# KiCad board data-center-ddr5-tester.kicad_pcb (continued)
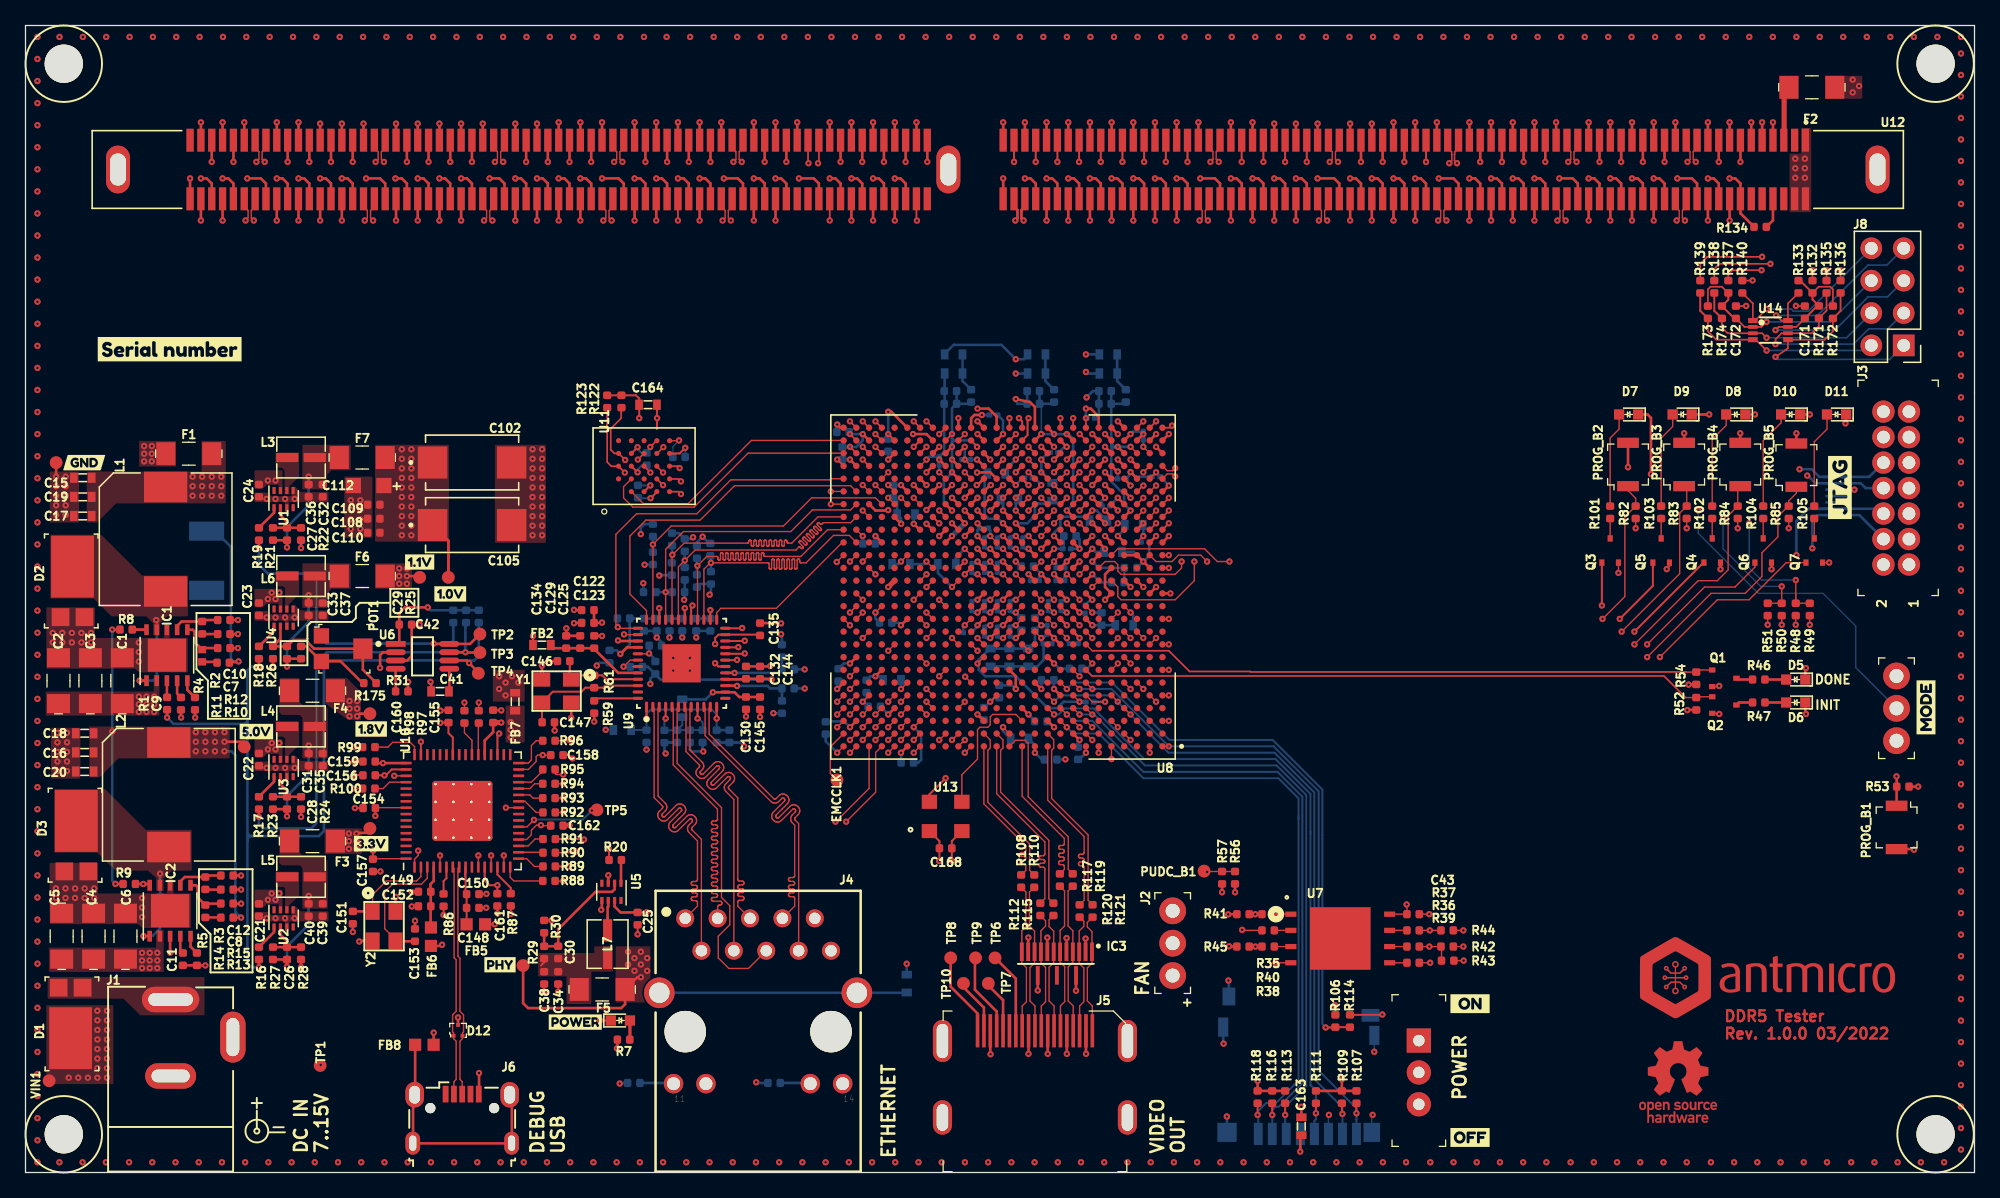
[diagram p0: board, top side]
## Placement (name value [footprint] x y rotation side) (continued)
R102  R_330R_0402  [0402-res]  132.24 51.8 270 top
R103  R_330R_0402  [0402-res]  128.24 51.8 270 top
R104  R_330R_0402  [0402-res]  136.24 51.8 270 top
R105  R_330R_0402  [0402-res]  140.24 51.8 270 top
R106  R_20k_0402  [0402-res]  102.69 11.89 270 top
R107  R_20k_0402  [0402-res]  104.34 5.92 270 top
R108  R_0R_0402  [0402-res]  78.06 22.86 270 top
R109  R_20k_0402  [0402-res]  103.2 5.92 270 top
R110  R_0R_0402  [0402-res]  79.08 22.86 270 top
R111  R_20k_0402  [0402-res]  101.17 5.92 270 top
R112  R_0R_0402  [0402-res]  79.56 20.65 270 top
R113  R_20k_0402  [0402-res]  98.76 5.92 270 top
R114  R_220R_0402  [0402-res]  103.84 11.89 90 top
R115  R_0R_0402  [0402-res]  80.58 20.65 270 top
R116  R_20k_0402  [0402-res]  97.74 5.92 270 top
R117  R_0R_0402  [0402-res]  81.09 22.95 270 top
R118  R_20k_0402  [0402-res]  96.6 5.92 270 top
R119  R_0R_0402  [0402-res]  82.1 22.95 270 top
R120  R_0R_0402  [0402-res]  82.64 20.52 270 top
R121  R_0R_0402  [0402-res]  83.66 20.52 270 top
R122  R_10k_0402  [0402-res]  46.72 60.5 270 top
R123  R_10k_0402  [0402-res]  45.6 60.5 270 top
R124  R_1k_0603  [0603-res]  72.76 64.19 0 bottom
R125  R_1k_0603  [0603-res]  72.76 62.69 180 bottom
R126  R_120R_0603  [0603-res]  77.14 52.81 0 bottom
R127  R_120R_0603  [0603-res]  76.11 54.85 0 bottom
R128  R_1k_0603  [0603-res]  79.26 64.19 0 bottom
R129  R_1k_0603  [0603-res]  79.26 62.69 180 bottom
R130  R_120R_0603  [0603-res]  80.51 53.42 90 bottom
R131  R_120R_0603  [0603-res]  84.12 51.16 0 bottom
R132  R_200k_0402  [0402-res]  140.1 69.5 90 top
R133  R_0R_0402  [0402-res]  139 69.5 90 top
R134  R_10k_0402  [0402-res]  136 74.2 0 top
R135  R_0R_0402  [0402-res]  141.2 69.5 270 top
R136  R_0R_0402  [0402-res]  142.3 69.5 270 top
R137  R_0R_0402  [0402-res]  133.5 69.5 90 top
R138  R_0R_0402  [0402-res]  132.4 69.5 90 top
R139  R_0R_0402  [0402-res]  131.3 69.5 90 top
R140  R_0R_0402  [0402-res]  134.6 69.5 90 top
R159  R_1k_0603  [0603-res]  84.89 64.19 0 bottom
R160  R_1k_0603  [0603-res]  84.89 62.69 180 bottom
R161  R_120R_0603  [0603-res]  86.89 50.81 0 bottom
R162  R_120R_0603  [0603-res]  85.26 48.69 0 bottom
R171  R_4k7_0402  [0402-res]  140.6 67.52 270 top
R172  R_4k7_0402  [0402-res]  141.7 67.5 270 top
R173  R_4k7_0402  [0402-res]  131.9 67.5 270 top
R174  R_4k7_0402  [0402-res]  133 67.5 270 top
R175  R_0R_0402  [0402-res]  27 38.4 0 top
S1  EG1218  [Switch_Slide_11.6x4mm_EG1218]  109.24 10.35 270 top
TP1  TP_SMD1MM  [Testpoint_smd_1mm]  23.15 8.4 90 top
TP2  TP_SMD1MM  [Testpoint_smd_1mm]  35.62 42.2 0 top
TP3  TP_SMD1MM  [Testpoint_smd_1mm]  35.62 40.75 0 top
TP4  TP_SMD1MM  [Testpoint_smd_1mm]  35.5 39.12 0 top
TP5  TP_SMD1MM  [Testpoint_smd_1mm]  44.8 28.4 0 top
TP6  TP_SMD1MM  [Testpoint_smd_1mm]  76.06 16.84 90 top
TP7  TP_SMD1MM  [Testpoint_smd_1mm]  75.53 14.84 90 top
TP8  TP_SMD1MM  [Testpoint_smd_1mm]  72.58 16.84 90 top
TP9  TP_SMD1MM  [Testpoint_smd_1mm]  74.53 16.84 90 top
TP10  TP_SMD1MM  [Testpoint_smd_1mm]  73.58 14.84 90 top
U1  TPS62823DLCT  [QFN-8_2x1mm]  20.24 52.84 90 top
U2  TPS62823DLCT  [QFN-8_2x1mm]  20.24 19.94 90 top
U3  TPS62823DLCT  [QFN-8_2x1mm]  20.24 31.74 90 top
U4  TPS62823DLCT  [QFN-8_2x1mm]  20.24 43.54 90 top
U5  TPS62823DLCT  [QFN-8_2x1mm]  45.94 22.02 270 top
U6  LM3881MME_NOPB  [VSSOP8-Texas_Instruments-DGK0008A]  31.12 40.5 0 top
U7  -  [S25FL128SAGNFI000]  103.07 18.36 0 top
U8  XC7K160T-FFG676  [BGA676C100P26X26_2700X2700X254]  76.64 45.94 180 top
U9  KSZ9031RNXCA  [QFN-48-Microchip-QFN77-48LD-PL-2]  51.44 39.95 90 top
U10  -  [FT4232HQ]  34.25 28.38 90 top
U11  S27KL0641DABHI023  [FBGA-24]  48.5 55.42 90 top
U12  -  [DDR504111002KQ]  76.22 78.7 180 top
U13  -  [ASFLMB-100.000MHZ-XY-T]  72.14 27.94 0 top
U14  TCA39306DCUR  [VSSOP-8]  136.8 66.1 0 top
VIN1  TP_SMD1MM  [Testpoint_smd_1mm]  1.9 7.2 90 top
Y1  ABM8G-25.000MHZ-18-D2Y-T  [KX-7]  41.69 37.73 180 top
Y2  ABM8G-12.000MHZ-18-D2Y-T  [KX-7]  28.16 19.38 270 top

## Footprints (pads in the part's own frame, mm; a bottom-side part is the same pattern mirrored in y, then rotated)
0201-res
  rrect 0.318x0.36 smd: (-0.345,0) (0.345,0)
  rrect 0.46x0.4 smd: 1(-0.32,0) 2(0.32,0)
0402
  rrect 0.59x0.64 smd: 1(-0.485,0) 2(0.485,0)
0402#2
  rect 0.57x0.62 smd: 1(-0.48,0) 2(0.48,0)
0402-cap
  rrect 0.59x0.64 smd: 1(-0.485,0) 2(0.485,0)
0402-res
  rrect 0.59x0.64 smd: 1(-0.485,0) 2(0.485,0)
0603
  rect 0.95x0.95 smd: 1(-0.725,0) 2(0.725,0)
0603-cap
  rect 0.6x0.8 smd: 1(-0.7,0) 2(0.7,0)
0603-res
  rect 0.6x0.8 smd: 1(-0.7,0) 2(0.7,0)
1206-cap
  rect 1.5x1.8 smd: 1(-1.8,0) 2(1.8,0)
1206-res
  rect 1.5x1.8 smd: 1(-1.8,0) 2(1.8,0)
2010-res
  rect 1.5x2.75 smd: 1(-2.32,0) 2(2.32,0)
7499111121A
  round 3.25 hole 3.25 unplated: (-5.715,0) (5.715,0)
  round 1.408 hole 0.9: 1(5.715,-8.89) 2(4.445,-6.35) 3(3.175,-8.89) 4(1.905,-6.35) 5(0.635,-8.89) 6(-0.635,-6.35) 7(-1.905,-8.89) 8(-3.175,-6.35) 9(-4.445,-8.89) 10(-5.715,-6.35)
  round 1.53 hole 1.02: 11(6.63,4.08) 12(4.09,4.08) 13(-4.09,4.08) 14(-6.63,4.08)
  round 2.4 hole 1.6: Z1(-7.745,-3.05) Z2(7.745,-3.05)
ASFLMB-100.000MHZ-XY-T
  rect 1.2x1.1 smd: 1(-1.27,-1.15) 2(1.27,-1.15) 3(1.27,1.15) 4(-1.27,1.15)
BGA676C100P26X26_2700X2700X254
  round 0.5 smd: A1(-12.5,12.5) A2(-11.5,12.5) A3(-10.5,12.5) A4(-9.5,12.5) A5(-8.5,12.5) A6(-7.5,12.5) A7(-6.5,12.5) A8(-5.5,12.5) A9(-4.5,12.5) A10(-3.5,12.5) A11(-2.5,12.5) A12(-1.5,12.5) A13(-0.5,12.5) A14(0.5,12.5) A15(1.5,12.5) A16(2.5,12.5) A17(3.5,12.5) A18(4.5,12.5) A19(5.5,12.5) A20(6.5,12.5) A21(7.5,12.5) A22(8.5,12.5) A23(9.5,12.5) A24(10.5,12.5) A25(11.5,12.5) A26(12.5,12.5) AA1(-12.5,-7.5) AA2(-11.5,-7.5) AA3(-10.5,-7.5) AA4(-9.5,-7.5) AA5(-8.5,-7.5) AA6(-7.5,-7.5) AA7(-6.5,-7.5) AA8(-5.5,-7.5) AA9(-4.5,-7.5) AA10(-3.5,-7.5) AA11(-2.5,-7.5) AA12(-1.5,-7.5) AA13(-0.5,-7.5) AA14(0.5,-7.5) AA15(1.5,-7.5) AA16(2.5,-7.5) AA17(3.5,-7.5) AA18(4.5,-7.5) AA19(5.5,-7.5) AA20(6.5,-7.5) AA21(7.5,-7.5) AA22(8.5,-7.5) AA23(9.5,-7.5) AA24(10.5,-7.5) AA25(11.5,-7.5) AA26(12.5,-7.5) AB1(-12.5,-8.5) AB2(-11.5,-8.5) AB3(-10.5,-8.5) AB4(-9.5,-8.5) AB5(-8.5,-8.5) AB6(-7.5,-8.5) AB7(-6.5,-8.5) AB8(-5.5,-8.5) AB9(-4.5,-8.5) AB10(-3.5,-8.5) AB11(-2.5,-8.5) AB12(-1.5,-8.5) AB13(-0.5,-8.5) AB14(0.5,-8.5) AB15(1.5,-8.5) AB16(2.5,-8.5) AB17(3.5,-8.5) AB18(4.5,-8.5) AB19(5.5,-8.5) AB20(6.5,-8.5) AB21(7.5,-8.5) AB22(8.5,-8.5) AB23(9.5,-8.5) AB24(10.5,-8.5) AB25(11.5,-8.5) AB26(12.5,-8.5) AC1(-12.5,-9.5) AC2(-11.5,-9.5) AC3(-10.5,-9.5) AC4(-9.5,-9.5) AC5(-8.5,-9.5) AC6(-7.5,-9.5) AC7(-6.5,-9.5) AC8(-5.5,-9.5) AC9(-4.5,-9.5) AC10(-3.5,-9.5) AC11(-2.5,-9.5) AC12(-1.5,-9.5) AC13(-0.5,-9.5) AC14(0.5,-9.5) AC15(1.5,-9.5) AC16(2.5,-9.5) AC17(3.5,-9.5) AC18(4.5,-9.5) AC19(5.5,-9.5) AC20(6.5,-9.5) AC21(7.5,-9.5) AC22(8.5,-9.5) AC23(9.5,-9.5) AC24(10.5,-9.5) AC25(11.5,-9.5) AC26(12.5,-9.5) AD1(-12.5,-10.5) AD2(-11.5,-10.5) AD3(-10.5,-10.5) AD4(-9.5,-10.5) AD5(-8.5,-10.5) AD6(-7.5,-10.5) AD7(-6.5,-10.5) AD8(-5.5,-10.5) AD9(-4.5,-10.5) AD10(-3.5,-10.5) AD11(-2.5,-10.5) AD12(-1.5,-10.5) AD13(-0.5,-10.5) AD14(0.5,-10.5) AD15(1.5,-10.5) AD16(2.5,-10.5) AD17(3.5,-10.5) AD18(4.5,-10.5) AD19(5.5,-10.5) AD20(6.5,-10.5) AD21(7.5,-10.5) AD22(8.5,-10.5) AD23(9.5,-10.5) AD24(10.5,-10.5) AD25(11.5,-10.5) AD26(12.5,-10.5) AE1(-12.5,-11.5) AE2(-11.5,-11.5) AE3(-10.5,-11.5) AE4(-9.5,-11.5) AE5(-8.5,-11.5) AE6(-7.5,-11.5) AE7(-6.5,-11.5) AE8(-5.5,-11.5) AE9(-4.5,-11.5) AE10(-3.5,-11.5) AE11(-2.5,-11.5) AE12(-1.5,-11.5) AE13(-0.5,-11.5) AE14(0.5,-11.5) AE15(1.5,-11.5) AE16(2.5,-11.5) AE17(3.5,-11.5) AE18(4.5,-11.5) AE19(5.5,-11.5) AE20(6.5,-11.5) AE21(7.5,-11.5) AE22(8.5,-11.5) AE23(9.5,-11.5) AE24(10.5,-11.5) AE25(11.5,-11.5) AE26(12.5,-11.5) AF1(-12.5,-12.5) AF2(-11.5,-12.5) AF3(-10.5,-12.5) AF4(-9.5,-12.5) AF5(-8.5,-12.5) AF6(-7.5,-12.5) AF7(-6.5,-12.5) AF8(-5.5,-12.5) AF9(-4.5,-12.5) AF10(-3.5,-12.5) AF11(-2.5,-12.5) AF12(-1.5,-12.5) AF13(-0.5,-12.5) AF14(0.5,-12.5) AF15(1.5,-12.5) AF16(2.5,-12.5) AF17(3.5,-12.5) AF18(4.5,-12.5) AF19(5.5,-12.5) AF20(6.5,-12.5) AF21(7.5,-12.5) AF22(8.5,-12.5) AF23(9.5,-12.5) AF24(10.5,-12.5) AF25(11.5,-12.5) AF26(12.5,-12.5) B1(-12.5,11.5) B2(-11.5,11.5) B3(-10.5,11.5) B4(-9.5,11.5) B5(-8.5,11.5) B6(-7.5,11.5) B7(-6.5,11.5) B8(-5.5,11.5) B9(-4.5,11.5) B10(-3.5,11.5) B11(-2.5,11.5) B12(-1.5,11.5) B13(-0.5,11.5) B14(0.5,11.5) B15(1.5,11.5) B16(2.5,11.5) B17(3.5,11.5) B18(4.5,11.5) B19(5.5,11.5) B20(6.5,11.5) B21(7.5,11.5) B22(8.5,11.5) B23(9.5,11.5) B24(10.5,11.5) B25(11.5,11.5) B26(12.5,11.5) C1(-12.5,10.5) C2(-11.5,10.5) C3(-10.5,10.5) C4(-9.5,10.5) C5(-8.5,10.5) C6(-7.5,10.5) C7(-6.5,10.5) C8(-5.5,10.5) C9(-4.5,10.5) C10(-3.5,10.5) C11(-2.5,10.5) C12(-1.5,10.5) C13(-0.5,10.5) C14(0.5,10.5) C15(1.5,10.5) C16(2.5,10.5) C17(3.5,10.5) C18(4.5,10.5) C19(5.5,10.5) C20(6.5,10.5) C21(7.5,10.5) C22(8.5,10.5) C23(9.5,10.5) C24(10.5,10.5) C25(11.5,10.5) C26(12.5,10.5) D1(-12.5,9.5) D2(-11.5,9.5) D3(-10.5,9.5) D4(-9.5,9.5) D5(-8.5,9.5) D6(-7.5,9.5) D7(-6.5,9.5) D8(-5.5,9.5) D9(-4.5,9.5) D10(-3.5,9.5) D11(-2.5,9.5) D12(-1.5,9.5) D13(-0.5,9.5) D14(0.5,9.5) D15(1.5,9.5) D16(2.5,9.5) D17(3.5,9.5) D18(4.5,9.5) D19(5.5,9.5) D20(6.5,9.5) D21(7.5,9.5) D22(8.5,9.5) D23(9.5,9.5) D24(10.5,9.5) D25(11.5,9.5) D26(12.5,9.5) E1(-12.5,8.5) E2(-11.5,8.5) E3(-10.5,8.5) E4(-9.5,8.5) E5(-8.5,8.5) E6(-7.5,8.5) E7(-6.5,8.5) E8(-5.5,8.5) E9(-4.5,8.5) E10(-3.5,8.5) E11(-2.5,8.5) E12(-1.5,8.5) E13(-0.5,8.5) E14(0.5,8.5) E15(1.5,8.5) E16(2.5,8.5) E17(3.5,8.5) E18(4.5,8.5) E19(5.5,8.5) E20(6.5,8.5) E21(7.5,8.5) E22(8.5,8.5) E23(9.5,8.5) E24(10.5,8.5) E25(11.5,8.5) E26(12.5,8.5) F1(-12.5,7.5) F2(-11.5,7.5) F3(-10.5,7.5) F4(-9.5,7.5) F5(-8.5,7.5) F6(-7.5,7.5) F7(-6.5,7.5) F8(-5.5,7.5) F9(-4.5,7.5) F10(-3.5,7.5) F11(-2.5,7.5) F12(-1.5,7.5) F13(-0.5,7.5) F14(0.5,7.5) F15(1.5,7.5) F16(2.5,7.5) F17(3.5,7.5) F18(4.5,7.5) F19(5.5,7.5) F20(6.5,7.5) F21(7.5,7.5) F22(8.5,7.5) F23(9.5,7.5) F24(10.5,7.5) F25(11.5,7.5) F26(12.5,7.5) G1(-12.5,6.5) G2(-11.5,6.5) G3(-10.5,6.5) G4(-9.5,6.5) G5(-8.5,6.5) G6(-7.5,6.5) G7(-6.5,6.5) G8(-5.5,6.5) G9(-4.5,6.5) G10(-3.5,6.5) G11(-2.5,6.5) G12(-1.5,6.5) G13(-0.5,6.5) G14(0.5,6.5) G15(1.5,6.5) G16(2.5,6.5) G17(3.5,6.5) G18(4.5,6.5) G19(5.5,6.5) G20(6.5,6.5) G21(7.5,6.5) G22(8.5,6.5) G23(9.5,6.5) G24(10.5,6.5) G25(11.5,6.5) G26(12.5,6.5) H1(-12.5,5.5) H2(-11.5,5.5) H3(-10.5,5.5) H4(-9.5,5.5) H5(-8.5,5.5) H6(-7.5,5.5) H7(-6.5,5.5) H8(-5.5,5.5) H9(-4.5,5.5) H10(-3.5,5.5) H11(-2.5,5.5) H12(-1.5,5.5) H13(-0.5,5.5) H14(0.5,5.5) H15(1.5,5.5) H16(2.5,5.5) H17(3.5,5.5) H18(4.5,5.5) H19(5.5,5.5) H20(6.5,5.5) H21(7.5,5.5) H22(8.5,5.5) H23(9.5,5.5) H24(10.5,5.5) H25(11.5,5.5) H26(12.5,5.5) J1(-12.5,4.5) J2(-11.5,4.5) J3(-10.5,4.5) J4(-9.5,4.5) J5(-8.5,4.5) J6(-7.5,4.5) J7(-6.5,4.5) J8(-5.5,4.5) J9(-4.5,4.5) J10(-3.5,4.5) J11(-2.5,4.5) J12(-1.5,4.5) J13(-0.5,4.5) J14(0.5,4.5) J15(1.5,4.5) J16(2.5,4.5) J17(3.5,4.5) J18(4.5,4.5) J19(5.5,4.5) J20(6.5,4.5) J21(7.5,4.5) J22(8.5,4.5) J23(9.5,4.5) J24(10.5,4.5) J25(11.5,4.5) J26(12.5,4.5) K1(-12.5,3.5) K2(-11.5,3.5) K3(-10.5,3.5) K4(-9.5,3.5) K5(-8.5,3.5) K6(-7.5,3.5) K7(-6.5,3.5) K8(-5.5,3.5) K9(-4.5,3.5) K10(-3.5,3.5) K11(-2.5,3.5) K12(-1.5,3.5) K13(-0.5,3.5) K14(0.5,3.5) K15(1.5,3.5) K16(2.5,3.5) K17(3.5,3.5) K18(4.5,3.5) K19(5.5,3.5) K20(6.5,3.5) K21(7.5,3.5) K22(8.5,3.5) K23(9.5,3.5) K24(10.5,3.5) K25(11.5,3.5) K26(12.5,3.5) L1(-12.5,2.5) L2(-11.5,2.5) L3(-10.5,2.5) L4(-9.5,2.5) L5(-8.5,2.5) L6(-7.5,2.5) L7(-6.5,2.5) L8(-5.5,2.5) L9(-4.5,2.5) L10(-3.5,2.5) L11(-2.5,2.5) L12(-1.5,2.5) L13(-0.5,2.5) L14(0.5,2.5) L15(1.5,2.5) L16(2.5,2.5) L17(3.5,2.5) L18(4.5,2.5) L19(5.5,2.5) L20(6.5,2.5) L21(7.5,2.5) L22(8.5,2.5) L23(9.5,2.5) L24(10.5,2.5) L25(11.5,2.5) L26(12.5,2.5) M1(-12.5,1.5) M2(-11.5,1.5) M3(-10.5,1.5) M4(-9.5,1.5) M5(-8.5,1.5) M6(-7.5,1.5) M7(-6.5,1.5) M8(-5.5,1.5) M9(-4.5,1.5) M10(-3.5,1.5) M11(-2.5,1.5) M12(-1.5,1.5) M13(-0.5,1.5) M14(0.5,1.5) M15(1.5,1.5) M16(2.5,1.5) M17(3.5,1.5) M18(4.5,1.5) M19(5.5,1.5) M20(6.5,1.5) M21(7.5,1.5) M22(8.5,1.5) M23(9.5,1.5) M24(10.5,1.5) M25(11.5,1.5) M26(12.5,1.5) N1(-12.5,0.5) N2(-11.5,0.5) N3(-10.5,0.5) N4(-9.5,0.5) N5(-8.5,0.5) N6(-7.5,0.5) N7(-6.5,0.5) N8(-5.5,0.5) N9(-4.5,0.5) N10(-3.5,0.5) N11(-2.5,0.5) N12(-1.5,0.5) N13(-0.5,0.5) N14(0.5,0.5) N15(1.5,0.5) N16(2.5,0.5) N17(3.5,0.5) N18(4.5,0.5) N19(5.5,0.5) N20(6.5,0.5) N21(7.5,0.5) N22(8.5,0.5) N23(9.5,0.5) N24(10.5,0.5) N25(11.5,0.5) N26(12.5,0.5) P1(-12.5,-0.5) P2(-11.5,-0.5) P3(-10.5,-0.5) P4(-9.5,-0.5) P5(-8.5,-0.5) P6(-7.5,-0.5) P7(-6.5,-0.5) P8(-5.5,-0.5) P9(-4.5,-0.5) P10(-3.5,-0.5) P11(-2.5,-0.5) P12(-1.5,-0.5) P13(-0.5,-0.5) P14(0.5,-0.5) P15(1.5,-0.5) P16(2.5,-0.5) P17(3.5,-0.5) P18(4.5,-0.5) P19(5.5,-0.5) P20(6.5,-0.5) P21(7.5,-0.5) P22(8.5,-0.5) P23(9.5,-0.5) P24(10.5,-0.5) P25(11.5,-0.5) P26(12.5,-0.5) R1(-12.5,-1.5) R2(-11.5,-1.5) R3(-10.5,-1.5) R4(-9.5,-1.5) R5(-8.5,-1.5) R6(-7.5,-1.5) R7(-6.5,-1.5) R8(-5.5,-1.5) R9(-4.5,-1.5) R10(-3.5,-1.5) R11(-2.5,-1.5) R12(-1.5,-1.5) R13(-0.5,-1.5) R14(0.5,-1.5) R15(1.5,-1.5) R16(2.5,-1.5) R17(3.5,-1.5) R18(4.5,-1.5) R19(5.5,-1.5) R20(6.5,-1.5) R21(7.5,-1.5) R22(8.5,-1.5) R23(9.5,-1.5) R24(10.5,-1.5) R25(11.5,-1.5) R26(12.5,-1.5) T1(-12.5,-2.5) T2(-11.5,-2.5) T3(-10.5,-2.5) T4(-9.5,-2.5) T5(-8.5,-2.5) T6(-7.5,-2.5) T7(-6.5,-2.5) T8(-5.5,-2.5) T9(-4.5,-2.5) T10(-3.5,-2.5) T11(-2.5,-2.5) T12(-1.5,-2.5) T13(-0.5,-2.5) T14(0.5,-2.5) T15(1.5,-2.5) T16(2.5,-2.5) T17(3.5,-2.5) T18(4.5,-2.5) T19(5.5,-2.5) T20(6.5,-2.5) T21(7.5,-2.5) T22(8.5,-2.5) T23(9.5,-2.5) T24(10.5,-2.5) T25(11.5,-2.5) T26(12.5,-2.5) U1(-12.5,-3.5) U2(-11.5,-3.5) U3(-10.5,-3.5) U4(-9.5,-3.5) U5(-8.5,-3.5) U6(-7.5,-3.5) U7(-6.5,-3.5) U8(-5.5,-3.5) U9(-4.5,-3.5) U10(-3.5,-3.5) U11(-2.5,-3.5) U12(-1.5,-3.5) U13(-0.5,-3.5) U14(0.5,-3.5) U15(1.5,-3.5) U16(2.5,-3.5) U17(3.5,-3.5) U18(4.5,-3.5) U19(5.5,-3.5) U20(6.5,-3.5) U21(7.5,-3.5) U22(8.5,-3.5) U23(9.5,-3.5) U24(10.5,-3.5) U25(11.5,-3.5) U26(12.5,-3.5) V1(-12.5,-4.5) V2(-11.5,-4.5) V3(-10.5,-4.5) V4(-9.5,-4.5) V5(-8.5,-4.5) V6(-7.5,-4.5) V7(-6.5,-4.5) V8(-5.5,-4.5) V9(-4.5,-4.5) V10(-3.5,-4.5) V11(-2.5,-4.5) V12(-1.5,-4.5) V13(-0.5,-4.5) V14(0.5,-4.5) V15(1.5,-4.5) V16(2.5,-4.5) V17(3.5,-4.5) V18(4.5,-4.5) V19(5.5,-4.5) V20(6.5,-4.5) V21(7.5,-4.5) V22(8.5,-4.5) V23(9.5,-4.5) V24(10.5,-4.5) V25(11.5,-4.5) V26(12.5,-4.5) W1(-12.5,-5.5) W2(-11.5,-5.5) W3(-10.5,-5.5) W4(-9.5,-5.5) W5(-8.5,-5.5) W6(-7.5,-5.5) W7(-6.5,-5.5) W8(-5.5,-5.5) W9(-4.5,-5.5) W10(-3.5,-5.5) W11(-2.5,-5.5) W12(-1.5,-5.5) W13(-0.5,-5.5) W14(0.5,-5.5) W15(1.5,-5.5) W16(2.5,-5.5) W17(3.5,-5.5) W18(4.5,-5.5) W19(5.5,-5.5) W20(6.5,-5.5) W21(7.5,-5.5) W22(8.5,-5.5) W23(9.5,-5.5) W24(10.5,-5.5) W25(11.5,-5.5) W26(12.5,-5.5) Y1(-12.5,-6.5) Y2(-11.5,-6.5) Y3(-10.5,-6.5) Y4(-9.5,-6.5) Y5(-8.5,-6.5) Y6(-7.5,-6.5) Y7(-6.5,-6.5) Y8(-5.5,-6.5) Y9(-4.5,-6.5) Y10(-3.5,-6.5) Y11(-2.5,-6.5) Y12(-1.5,-6.5) Y13(-0.5,-6.5) Y14(0.5,-6.5) Y15(1.5,-6.5) Y16(2.5,-6.5) Y17(3.5,-6.5) Y18(4.5,-6.5) Y19(5.5,-6.5) Y20(6.5,-6.5) Y21(7.5,-6.5) Y22(8.5,-6.5) Y23(9.5,-6.5) Y24(10.5,-6.5) Y25(11.5,-6.5) Y26(12.5,-6.5)
DC_SOCKET
  oval 4.5x2 hole 3.5x1: 1(0,13.7)
  oval 1.99x4 hole 1x3: 2(4.88,10.75)
  oval 4x2 hole 3x1: 3(0,7.7)
DDR504111002KQ
  rect 0.57x1.8 smd: 1(-63.325,-2.3) 2(-62.475,-2.3) 3(-61.625,-2.3) 4(-60.775,-2.3) 5(-59.925,-2.3) 6(-59.075,-2.3) 7(-58.225,-2.3) 8(-57.375,-2.3) 9(-56.525,-2.3) 10(-55.675,-2.3) 11(-54.825,-2.3) 12(-53.975,-2.3) 13(-53.125,-2.3) 14(-52.275,-2.3) 15(-51.425,-2.3) 16(-50.575,-2.3) 17(-49.725,-2.3) 18(-48.875,-2.3) 19(-48.025,-2.3) 20(-47.175,-2.3) 21(-46.325,-2.3) 22(-45.475,-2.3) 23(-44.625,-2.3) 24(-43.775,-2.3) 25(-42.925,-2.3) 26(-42.075,-2.3) 27(-41.225,-2.3) 28(-40.375,-2.3) 29(-39.525,-2.3) 30(-38.675,-2.3) 31(-37.825,-2.3) 32(-36.975,-2.3) 33(-36.125,-2.3) 34(-35.275,-2.3) 35(-34.425,-2.3) 36(-33.575,-2.3) 37(-32.725,-2.3) 38(-31.875,-2.3) 39(-31.025,-2.3) 40(-30.175,-2.3) 41(-29.325,-2.3) 42(-28.475,-2.3) 43(-27.625,-2.3) 44(-26.775,-2.3) 45(-25.925,-2.3) 46(-25.075,-2.3) 47(-24.225,-2.3) 48(-23.375,-2.3) 49(-22.525,-2.3) 50(-21.675,-2.3) 51(-20.825,-2.3) 52(-19.975,-2.3) 53(-19.125,-2.3) 54(-18.275,-2.3) 55(-17.425,-2.3) 56(-16.575,-2.3) 57(-15.725,-2.3) 58(-14.875,-2.3) 59(-14.025,-2.3) 60(-13.175,-2.3) 61(-12.325,-2.3) 62(-11.475,-2.3) 63(-10.625,-2.3) 64(-9.775,-2.3) 65(-8.925,-2.3) 66(-8.075,-2.3) 67(-7.225,-2.3) 68(-6.375,-2.3) 69(-5.525,-2.3) 70(-4.675,-2.3) 71(-3.825,-2.3) 72(-2.975,-2.3) 73(-2.125,-2.3) 74(-1.275,-2.3) 75(-0.425,-2.3) 76(5.525,-2.3) 77(6.375,-2.3) 78(7.225,-2.3) 79(8.075,-2.3) 80(8.925,-2.3) 81(9.775,-2.3) 82(10.625,-2.3) 83(11.475,-2.3) 84(12.325,-2.3) 85(13.175,-2.3) 86(14.025,-2.3) 87(14.875,-2.3) 88(15.725,-2.3) 89(16.575,-2.3) 90(17.425,-2.3) 91(18.275,-2.3) 92(19.125,-2.3) 93(19.975,-2.3) 94(20.825,-2.3) 95(21.675,-2.3) 96(22.525,-2.3) 97(23.375,-2.3) 98(24.225,-2.3) 99(25.075,-2.3) 100(25.925,-2.3) 101(26.775,-2.3) 102(27.625,-2.3) 103(28.475,-2.3) 104(29.325,-2.3) 105(30.175,-2.3) 106(31.025,-2.3) 107(31.875,-2.3) 108(32.725,-2.3) 109(33.575,-2.3) 110(34.425,-2.3) 111(35.275,-2.3) 112(36.125,-2.3) 113(36.975,-2.3) 114(37.825,-2.3) 115(38.675,-2.3) 116(39.525,-2.3) 117(40.375,-2.3) 118(41.225,-2.3) 119(42.075,-2.3) 120(42.925,-2.3) 121(43.775,-2.3) 122(44.625,-2.3) 123(45.475,-2.3) 124(46.325,-2.3) 125(47.175,-2.3) 126(48.025,-2.3) 127(48.875,-2.3) 128(49.725,-2.3) 129(50.575,-2.3) 130(51.425,-2.3) 131(52.275,-2.3) 132(53.125,-2.3) 133(53.975,-2.3) 134(54.825,-2.3) 135(55.675,-2.3) 136(56.525,-2.3) 137(57.375,-2.3) 138(58.225,-2.3) 139(59.075,-2.3) 140(59.925,-2.3) 141(60.775,-2.3) 142(61.625,-2.3) 143(62.475,-2.3) 144(63.325,-2.3) 145(-63.325,2.3) 146(-62.475,2.3) 147(-61.625,2.3) 148(-60.775,2.3) 149(-59.925,2.3) 150(-59.075,2.3) 151(-58.225,2.3) 152(-57.375,2.3) 153(-56.525,2.3) 154(-55.675,2.3) 155(-54.825,2.3) 156(-53.975,2.3) 157(-53.125,2.3) 158(-52.275,2.3) 159(-51.425,2.3) 160(-50.575,2.3) 161(-49.725,2.3) 162(-48.875,2.3) 163(-48.025,2.3) 164(-47.175,2.3) 165(-46.325,2.3) 166(-45.475,2.3) 167(-44.625,2.3) 168(-43.775,2.3) 169(-42.925,2.3) 170(-42.075,2.3) 171(-41.225,2.3) 172(-40.375,2.3) 173(-39.525,2.3) 174(-38.675,2.3) 175(-37.825,2.3) 176(-36.975,2.3) 177(-36.125,2.3) 178(-35.275,2.3) 179(-34.425,2.3) 180(-33.575,2.3) 181(-32.725,2.3) 182(-31.875,2.3) 183(-31.025,2.3) 184(-30.175,2.3) 185(-29.325,2.3) 186(-28.475,2.3) 187(-27.625,2.3) 188(-26.775,2.3) 189(-25.925,2.3) 190(-25.075,2.3) 191(-24.225,2.3) 192(-23.375,2.3) 193(-22.525,2.3) 194(-21.675,2.3) 195(-20.825,2.3) 196(-19.975,2.3) 197(-19.125,2.3) 198(-18.275,2.3) 199(-17.425,2.3) 200(-16.575,2.3) 201(-15.725,2.3) 202(-14.875,2.3) 203(-14.025,2.3) 204(-13.175,2.3) 205(-12.325,2.3) 206(-11.475,2.3) 207(-10.625,2.3) 208(-9.775,2.3) 209(-8.925,2.3) 210(-8.075,2.3) 211(-7.225,2.3) 212(-6.375,2.3) 213(-5.525,2.3) 214(-4.675,2.3) 215(-3.825,2.3) 216(-2.975,2.3) 217(-2.125,2.3) 218(-1.275,2.3) 219(-0.425,2.3) 220(5.525,2.3) 221(6.375,2.3) 222(7.225,2.3) 223(8.075,2.3) 224(8.925,2.3) 225(9.775,2.3) 226(10.625,2.3) 227(11.475,2.3) 228(12.325,2.3) 229(13.175,2.3) 230(14.025,2.3) 231(14.875,2.3) 232(15.725,2.3) 233(16.575,2.3) 234(17.425,2.3) 235(18.275,2.3) 236(19.125,2.3) 237(19.975,2.3) 238(20.825,2.3) 239(21.675,2.3) 240(22.525,2.3) 241(23.375,2.3) 242(24.225,2.3) 243(25.075,2.3) 244(25.925,2.3) 245(26.775,2.3) 246(27.625,2.3) 247(28.475,2.3) 248(29.325,2.3) 249(30.175,2.3) 250(31.025,2.3) 251(31.875,2.3) 252(32.725,2.3) 253(33.575,2.3) 254(34.425,2.3) 255(35.275,2.3) 256(36.125,2.3) 257(36.975,2.3) 258(37.825,2.3) 259(38.675,2.3) 260(39.525,2.3) 261(40.375,2.3) 262(41.225,2.3) 263(42.075,2.3) 264(42.925,2.3) 265(43.775,2.3) 266(44.625,2.3) 267(45.475,2.3) 268(46.325,2.3) 269(47.175,2.3) 270(48.025,2.3) 271(48.875,2.3) 272(49.725,2.3) 273(50.575,2.3) 274(51.425,2.3) 275(52.275,2.3) 276(53.125,2.3) 277(53.975,2.3) 278(54.825,2.3) 279(55.675,2.3) 280(56.525,2.3) 281(57.375,2.3) 282(58.225,2.3) 283(59.075,2.3) 284(59.925,2.3) 285(60.775,2.3) 286(61.625,2.3) 287(62.475,2.3) 288(63.325,2.3)
  oval 1.875x3.75 hole 1.25x2.53: S1(-68.975,0) S2(3.875,0) S3(68.975,0)
FBGA-24
  round 0.4 smd: A2(-1,2) A3(0,2) A4(1,2) A5(2,2) B1(-2,1) B2(-1,1) B3(0,1) B4(1,1) B5(2,1) C1(-2,0) C2(-1,0) C3(0,0) C4(1,0) C5(2,0) D1(-2,-1) D2(-1,-1) D3(0,-1) D4(1,-1) D5(2,-1) E1(-2,-2) E2(-1,-2) E3(0,-2) E4(1,-2) E5(2,-2)
FT4232HQ
  rrect 1.263x1.263 smd: (-1.4,1.4) (-1.4,0) (-1.4,-1.4) (0,1.4) (0,0) (0,-1.4) (1.4,1.4) (1.4,0) (1.4,-1.4)
  rrect 0.875x0.2 smd: 1(-4.412,3.75) 2(-4.412,3.25) 3(-4.412,2.75) 4(-4.412,2.25) 5(-4.412,1.75) 6(-4.412,1.25) 7(-4.412,0.75) 8(-4.412,0.25) 9(-4.412,-0.25) 10(-4.412,-0.75) 11(-4.412,-1.25) 12(-4.412,-1.75) 13(-4.412,-2.25) 14(-4.412,-2.75) 15(-4.412,-3.25) 16(-4.412,-3.75) 33(4.412,-3.75) 34(4.412,-3.25) 35(4.412,-2.75) 36(4.412,-2.25) 37(4.412,-1.75) 38(4.412,-1.25) 39(4.412,-0.75) 40(4.412,-0.25) 41(4.412,0.25) 42(4.412,0.75) 43(4.412,1.25) 44(4.412,1.75) 45(4.412,2.25) 46(4.412,2.75) 47(4.412,3.25) 48(4.412,3.75)
  rrect 0.2x0.875 smd: 17(-3.75,-4.412) 18(-3.25,-4.412) 19(-2.75,-4.412) 20(-2.25,-4.412) 21(-1.75,-4.412) 22(-1.25,-4.412) 23(-0.75,-4.412) 24(-0.25,-4.412) 25(0.25,-4.412) 26(0.75,-4.412) 27(1.25,-4.412) 28(1.75,-4.412) 29(2.25,-4.412) 30(2.75,-4.412) 31(3.25,-4.412) 32(3.75,-4.412) 49(3.75,4.412) 50(3.25,4.412) 51(2.75,4.412) 52(2.25,4.412) 53(1.75,4.412) 54(1.25,4.412) 55(0.75,4.412) 56(0.25,4.412) 57(-0.25,4.412) 58(-0.75,4.412) 59(-1.25,4.412) 60(-1.75,4.412) 61(-2.25,4.412) 62(-2.75,4.412) 63(-3.25,4.412) 64(-3.75,4.412)
  round 0.5 hole 0.2: 65(-2.1,2.1) 65(-2.1,0.7) 65(-2.1,-0.7) 65(-2.1,-2.1) 65(-0.7,2.1) 65(-0.7,0.7) 65(-0.7,-0.7) 65(-0.7,-2.1) 65(0.7,2.1) 65(0.7,0.7) 65(0.7,-0.7) 65(0.7,-2.1) 65(2.1,2.1) 65(2.1,0.7) 65(2.1,-0.7) 65(2.1,-2.1)
  rrect 4.7x4.7 smd: 65(0,0)
  rrect 4.7x4.7 smd far side: 65(0,0)
HDMI_A_Female_685119134923
  rect 0.28x2.6 smd: 1(-4.5,-1.3) 2(-4,-1.3) 3(-3.5,-1.3) 4(-3,-1.3) 5(-2.5,-1.3) 6(-2,-1.3) 7(-1.5,-1.3) 8(-1,-1.3) 9(-0.5,-1.3) 10(0,-1.3) 11(0.5,-1.3) 12(1,-1.3) 13(1.5,-1.3) 14(2,-1.3) 15(2.5,-1.3) 16(3,-1.3) 17(3.5,-1.3) 18(4,-1.3) 19(4.5,-1.3)
  oval 1.5x2.7 hole 0.9x2.1: SH(-7.25,5.5) SH(7.25,5.5)
  oval 1.5x3.3 hole 0.9x2.7: SH(-7.25,-0.5) SH(7.25,-0.5)
IHLP-1212AE
  rect 1.753x0.711 smd: 1(-1.079,0) 2(1.079,0)
KEMET_A
  rect 1.2x1.2 smd: 1(0.005,0) 2(2.4,0)
KEMET_D
  rect 2.31x2.52 smd: 1(-3.1,0) 2(3.1,0)
KX-7
  rect 1.3x1.1 smd: 1(-1.1,-0.95) 2(1.2,-0.95) 3(1.2,0.85) 4(-1.1,0.85)
LED_0603
  rect 0.8x0.8 smd: 1(-0.75,0) 2(0.75,0)
MicroSD_1140084168
  rect 0.7x1.75 smd: 1(3.125,-5.304) 2(2.025,-5.304) 3(0.925,-5.304) 4(-0.175,-5.304) 5(-1.275,-5.304) 6(-2.375,-5.304) 7(-3.475,-5.304) 8(-4.575,-5.304)
  rect 1.4x1 smd: 9(-5.675,4)
  rect 1x1.4 smd: 10(5.425,5.48)
  rect 0.8x1.5 smd: ~(-5.975,2.43) ~(5.875,3.08)
  rect 1.3x1.5 smd: ~(-5.775,-5.18)
  rect 1.5x1.5 smd: ~(5.575,-5.18)
mounting-hole-3mm-NPTH
  round 3 hole 3 unplated: (0,0)
PDS760-13
  rect 1.4x1.39 smd: A(3.462,0.84) A(3.462,-1.04)
  rect 4.86x3.36 smd: C(-0.5,-0.1)
PinHeader_1x3_P2.54_Drill1.1mm
  round 2.1 hole 1.1: 1(0,0) 2(2.54,0) 3(5.08,0)
PinHeader_2x04_P2.54mm_Vertical
  rect 1.7x1.7 hole 1: 1(0,0)
  oval 1.7x1.7 hole 1: 2(2.54,0) 3(0,-2.54) 4(2.54,-2.54) 5(0,-5.08) 6(2.54,-5.08) 7(0,-7.62) 8(2.54,-7.62)
PinHeader_2x7_P2mm_Drill1mm
  round 1.75 hole 1: 1(0,0) 2(0,-2) 3(-2,0) 4(-2,-2) 5(-4,0) 6(-4,-2) 7(-6,0) 8(-6,-2) 9(-8,0) 10(-8,-2) 11(-10,0) 12(-10,-2) 13(-12,0) 14(-12,-2)
QFN-8_2x1mm
  rect 0.55x0.25 smd: 1(-0.675,0.75) 2(-0.675,0.25) 3(-0.675,-0.25) 4(-0.675,-0.75) 5(0.675,-0.75) 6(0.675,-0.25) 7(0.675,0.25) 8(0.675,0.75)
QFN-48-Microchip-QFN77-48LD-PL-2
  rect 0.818x0.242 smd: 1(-3.427,2.75)
  rrect 0.818x0.242 smd: 2(-3.427,2.25) 3(-3.427,1.75) 4(-3.427,1.25) 5(-3.427,0.75) 6(-3.427,0.25) 7(-3.427,-0.25) 8(-3.427,-0.75) 9(-3.427,-1.25) 10(-3.427,-1.75) 11(-3.427,-2.25) 12(-3.427,-2.75) 25(3.427,-2.75) 26(3.427,-2.25) 27(3.427,-1.75) 28(3.427,-1.25) 29(3.427,-0.75) 30(3.427,-0.25) 31(3.427,0.25) 32(3.427,0.75) 33(3.427,1.25) 34(3.427,1.75) 35(3.427,2.25) 36(3.427,2.75)
  rrect 0.242x0.818 smd: 13(-2.75,-3.427) 14(-2.25,-3.427) 15(-1.75,-3.427) 16(-1.25,-3.427) 17(-0.75,-3.427) 18(-0.25,-3.427) 19(0.25,-3.427) 20(0.75,-3.427) 21(1.25,-3.427) 22(1.75,-3.427) 23(2.25,-3.427) 24(2.75,-3.427) 37(2.75,3.427) 38(2.25,3.427) 39(1.75,3.427) 40(1.25,3.427) 41(0.75,3.427) 42(0.25,3.427) 43(-0.25,3.427) 44(-0.75,3.427) 45(-1.25,3.427) 46(-1.75,3.427) 47(-2.25,3.427) 48(-2.75,3.427)
  rect 3x3 smd: 49(0,0)
R-PDSO-N15
  rect 0.3x1.45 smd: 1(-2.75,-1.75) 2(-2.25,-1.75) 3(-1.75,-1.75) 4(-1.25,-1.75) 5(-0.75,-1.75) 6(-0.25,-1.75) 7(0.25,-1.75) 8(0.75,-1.75) 9(1.25,-1.75) 10(1.75,-1.75) 11(2.25,-1.75) 12(2.75,-1.75) 13(1.5,0.1) 14(0,0.1) 15(-1.5,0.1)
S25FL128SAGNFI000
  rect 0.864x0.406 smd: 1(-3.873,1.905) 2(-3.873,0.635) 3(-3.873,-0.635) 4(-3.873,-1.905) 5(3.873,-1.905) 6(3.873,-0.635) 7(3.873,0.635) 8(3.873,1.905)
  rect 4.75x4.902 smd: 9(0,0)
SC70-3
  rect 0.5x0.4 smd: 1(-0.95,0.65) 2(-0.95,-0.65) 3(0.95,0)
SOT-3
  rect 0.3x0.3 smd: 1(-0.35,-0.425) 2(0.35,-0.425) 3(0,0.425)
Switch_Slide_11.6x4mm_EG1218
  rect 1.9x1.9 hole 0.9: 1(0,0)
  round 1.9 hole 0.9: 2(2.5,0) 3(5,0)
Switch_Tactile_SMD_B3U-1000P
  rect 0.8x1.7 smd: 1(-1.7,0) 2(1.7,0)
Testpoint_smd_1mm
  round 1 smd: 1(0,0.051)
TPD6E05U06
  rect 0.2x0.5 smd: 5(0.5,-0.625) 8(1.5,-0.625) 8(1.5,0.625) 9(1,-0.625) 9(1,0.625) 10(0.5,0.625) 11(0,-0.625) 11(0,0.625) 12(-0.5,-0.625) 12(-0.5,0.625) 13(-1,-0.625) 13(-1,0.625) 14(-1.5,-0.625) 14(-1.5,0.625)
Trimpot_3.8mmx3.6mm_TC33X-2-103E
  rect 1.2x1.2 smd: 1(-1,-1.8) 3(1,-1.8)
  rect 1.6x1.5 smd: 2(0,1.45)
USB_Micro_B_Female_629105150521
  oval 0.8x0.8 hole 0.8 unplated: (-2.5,0.8) (2.5,0.8)
  rect 0.45x1.3 smd: 1(-1.3,1.9) 2(-0.65,1.9) 3(0,1.9) 4(0.65,1.9) 5(1.3,1.9)
  oval 1.15x1.8 hole 0.55x1.2: 6(-3.875,-1.95) 6(3.875,-1.95)
  oval 1.45x2 hole 0.85x1.4: 6(-3.725,1.85) 6(3.725,1.85)
VSSOP8-Texas_Instruments-DGK0008A
  rect 1.557x0.458 smd: 1(-2.101,0.975)
  rrect 1.557x0.458 smd: 2(-2.101,0.325) 3(-2.101,-0.325) 4(-2.101,-0.975) 5(2.101,-0.975) 6(2.101,-0.325) 7(2.101,0.325) 8(2.101,0.975)
VSSOP-8
  rect 0.75x0.4 smd: 1(-1.375,0.75) 4(-1.375,-0.75) 5(1.375,-0.75) 8(1.375,0.75)
  rect 0.75x0.3 smd: 2(-1.375,0.25) 3(-1.375,-0.25) 6(1.375,-0.25) 7(1.375,0.25)
WE_7447798720
  rect 2.4x3.4 smd: 1(-4.1,0) 2(4.1,0)
WSON-10_4x4
  rect 0.85x0.356 smd: 1(-2,1.6) 2(-2,0.8) 3(-2,0) 4(-2,-0.8) 5(-2,-1.6) 6(2,-1.6) 7(2,-0.8) 8(2,0) 9(2,0.8) 10(2,1.6)
  rect 2.6x3 smd: 11(0,0)

## Nets
1V0_SYS: 1V0.1 C47.1 C51.1 C55.1 C59.1 C63.1 C66.1 C70.1 C74.1 C78.1 C81.1 C84.1 C88.1 C92.1 C96.1 C100.1 C102.1 C105.1 C108.1 C109.1 C110.1 C112.1 C114.1 C116.1 C118.1 F7.2 R137.2 U8.J9 U8.K8 U8.K10 U8.K12 U8.K14 U8.L9 U8.L13 U8.L15 U8.M8 U8.M14 U8.N9 U8.N13 U8.N15 U8.P14 U8.R13 U8.R15 U8.T12 U8.T14 U8.U13 U8.U15
1V1_SYS: 1V1.1 C49.1 C53.1 C57.1 C61.1 C65.1 C69.1 C73.1 C77.1 C83.1 C87.1 C91.1 C95.1 C98.1 C104.1 F6.2 R124.1 R127.2 R128.1 R131.2 R159.1 R161.2 U8.AA1 U8.AA11 U8.AB8 U8.AB18 U8.AC5 U8.AC15 U8.AD2 U8.AD12 U8.AE9 U8.AE19 U8.AF6 U8.AF16 U8.B18 U8.E19 U8.F16 U8.H20 U8.J17 U8.K24 U8.M18 U8.N25 U8.P22 U8.R19 U8.T16 U8.T26 U8.U3 U8.V10 U8.W7 U8.W17 U8.Y4 U8.Y14
1V2_SYS: C122.1 C123.1 C124.1 C126.1 C130.1 C135.1 C139.1 C142.1 C145.1 F5.2 FB2.2 FB3.2 PHY1.1 U9.14 U9.18 U9.23 U9.26 U9.30 U9.39
1V8_FT: C155.1 C157.1 C159.1 C161.1 FB7.1 U10.12 U10.37 U10.49 U10.64
1V8_SYS: 1V8.1 C48.1 C52.1 C56.1 C60.1 C64.1 C67.1 C71.1 C75.1 C79.1 C82.1 C85.1 C89.1 C93.1 C97.1 C103.1 C106.1 F4.2 FB7.2 U8.E8 U8.L11 U8.M10 U8.M12 U8.P8 U8.P10 U8.R9 U8.T8 U8.T10 U8.U11
3V3_SYS: 3V3.1 C43.1 C44.1 C45.1 C46.1 C50.1 C54.1 C58.1 C62.1 C68.1 C72.1 C76.1 C80.1 C86.1 C90.1 C94.1 C99.1 C101.1 C107.1 C111.1 C113.1 C115.1 C117.1 C119.1 C120.1 C121.1 C127.1 C132.1 C137.1 C141.1 C144.1 C154.1 C156.1 C158.1 C160.1 C162.1 C163.1 C164.1 C165.1 C166.1 C167.1 C168.1 D5.1 D6.1 D7.1 D8.1 D9.1 D10.1 D11.1 F2.1 F3.2 FB1.1 FB5.1 FB6.1 IC3.13 IC3.15 J3.2 J7.4 MODE1.3 PWR1.1 R41.2 R42.1 R44.1 R45.1 R48.2 R50.2 R52.1 R53.1 R54.1 R55.1 R56.1 R58.2 R60.2 R62.2 R63.2 R64.2 R65.2 R66.2 R67.2 R68.2 R69.2 R70.2 R71.2 R72.2 R82.1 R83.1 R84.1 R85.1 R87.1 R106.1 R107.1 R109.1 R111.1 R113.1 R116.1 R118.1 R122.1 R123.1 R132.2 U7.8 U8.A11 U8.A21 U8.AA21 U8.AC25 U8.AD22 U8.AF26 U8.B8 U8.C15 U8.C25 U8.D12 U8.D22 U8.E9 U8.F26 U8.G13 U8.G23 U8.H10 U8.L7 U8.L21 U8.T6 U8.U23 U8.V20 U8.Y24 U9.16 U9.34 U9.40 U10.20 U10.31 U10.42 U10.50 U10.56 U11.B4 U11.D1 U11.E4 U13.1 U13.4
/Ethernet/AVDDH: C128.1 C133.1 C138.1 FB1.2 U9.1 U9.12
/Ethernet/AVDDL: C131.1 C136.1 C140.1 C143.1 FB3.1 U9.4 U9.9
/Ethernet/AVDDL_PLL: C125.1 C129.1 C134.1 FB2.1 U9.44
/FPGA banks 16-34/GND_: J8.8 R140.1 U14.1
/Supply/VCC_AUX_EN: R17.2 R33.2 TP3.1 U6.7
/Supply/VCC_INT_EN: R19.2 R32.2 TP2.1 U6.8
/Supply/VCC_IO_EN: R1.2 R16.2 R18.2 R20.2 R34.2 TP4.1 U6.6
